# KiCad board Joystick_breakout.kicad_pcb
title: Joystick 2-axis with pushbutton breakout; date: 2021-11-10; rev: V1.1.1.; company: SOLDRED; note: 333089
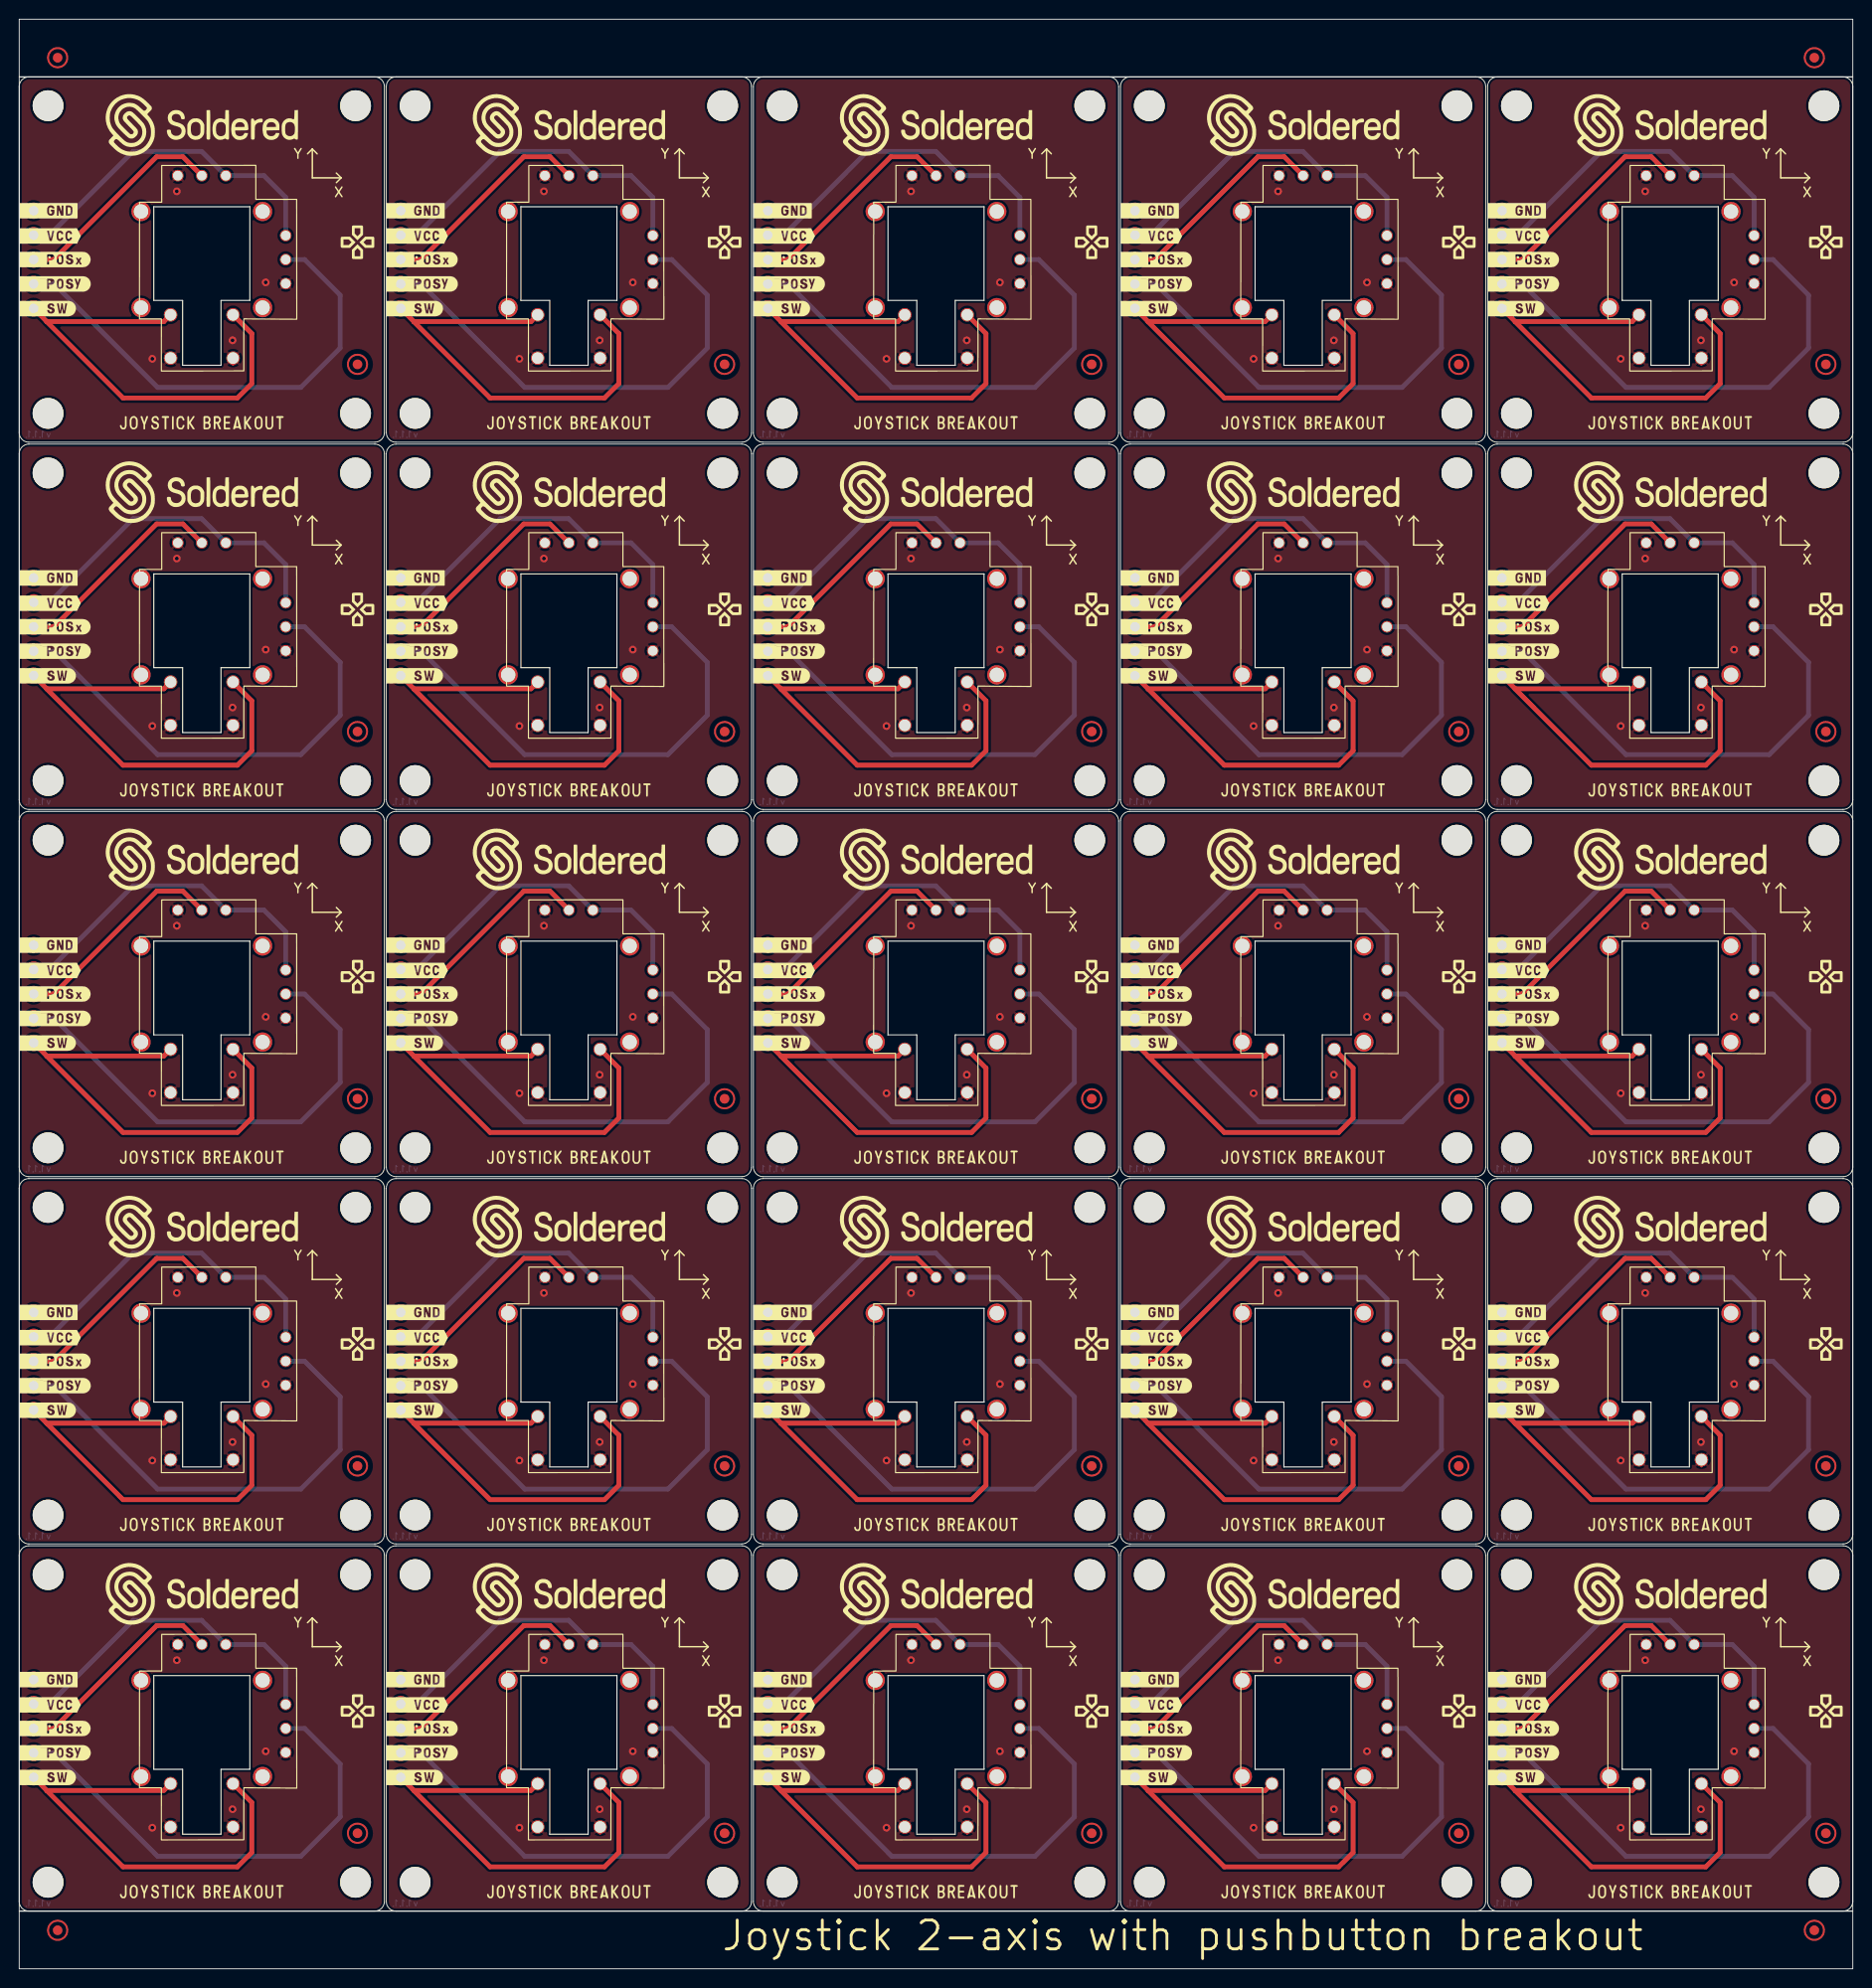
[diagram p0: board, top side]
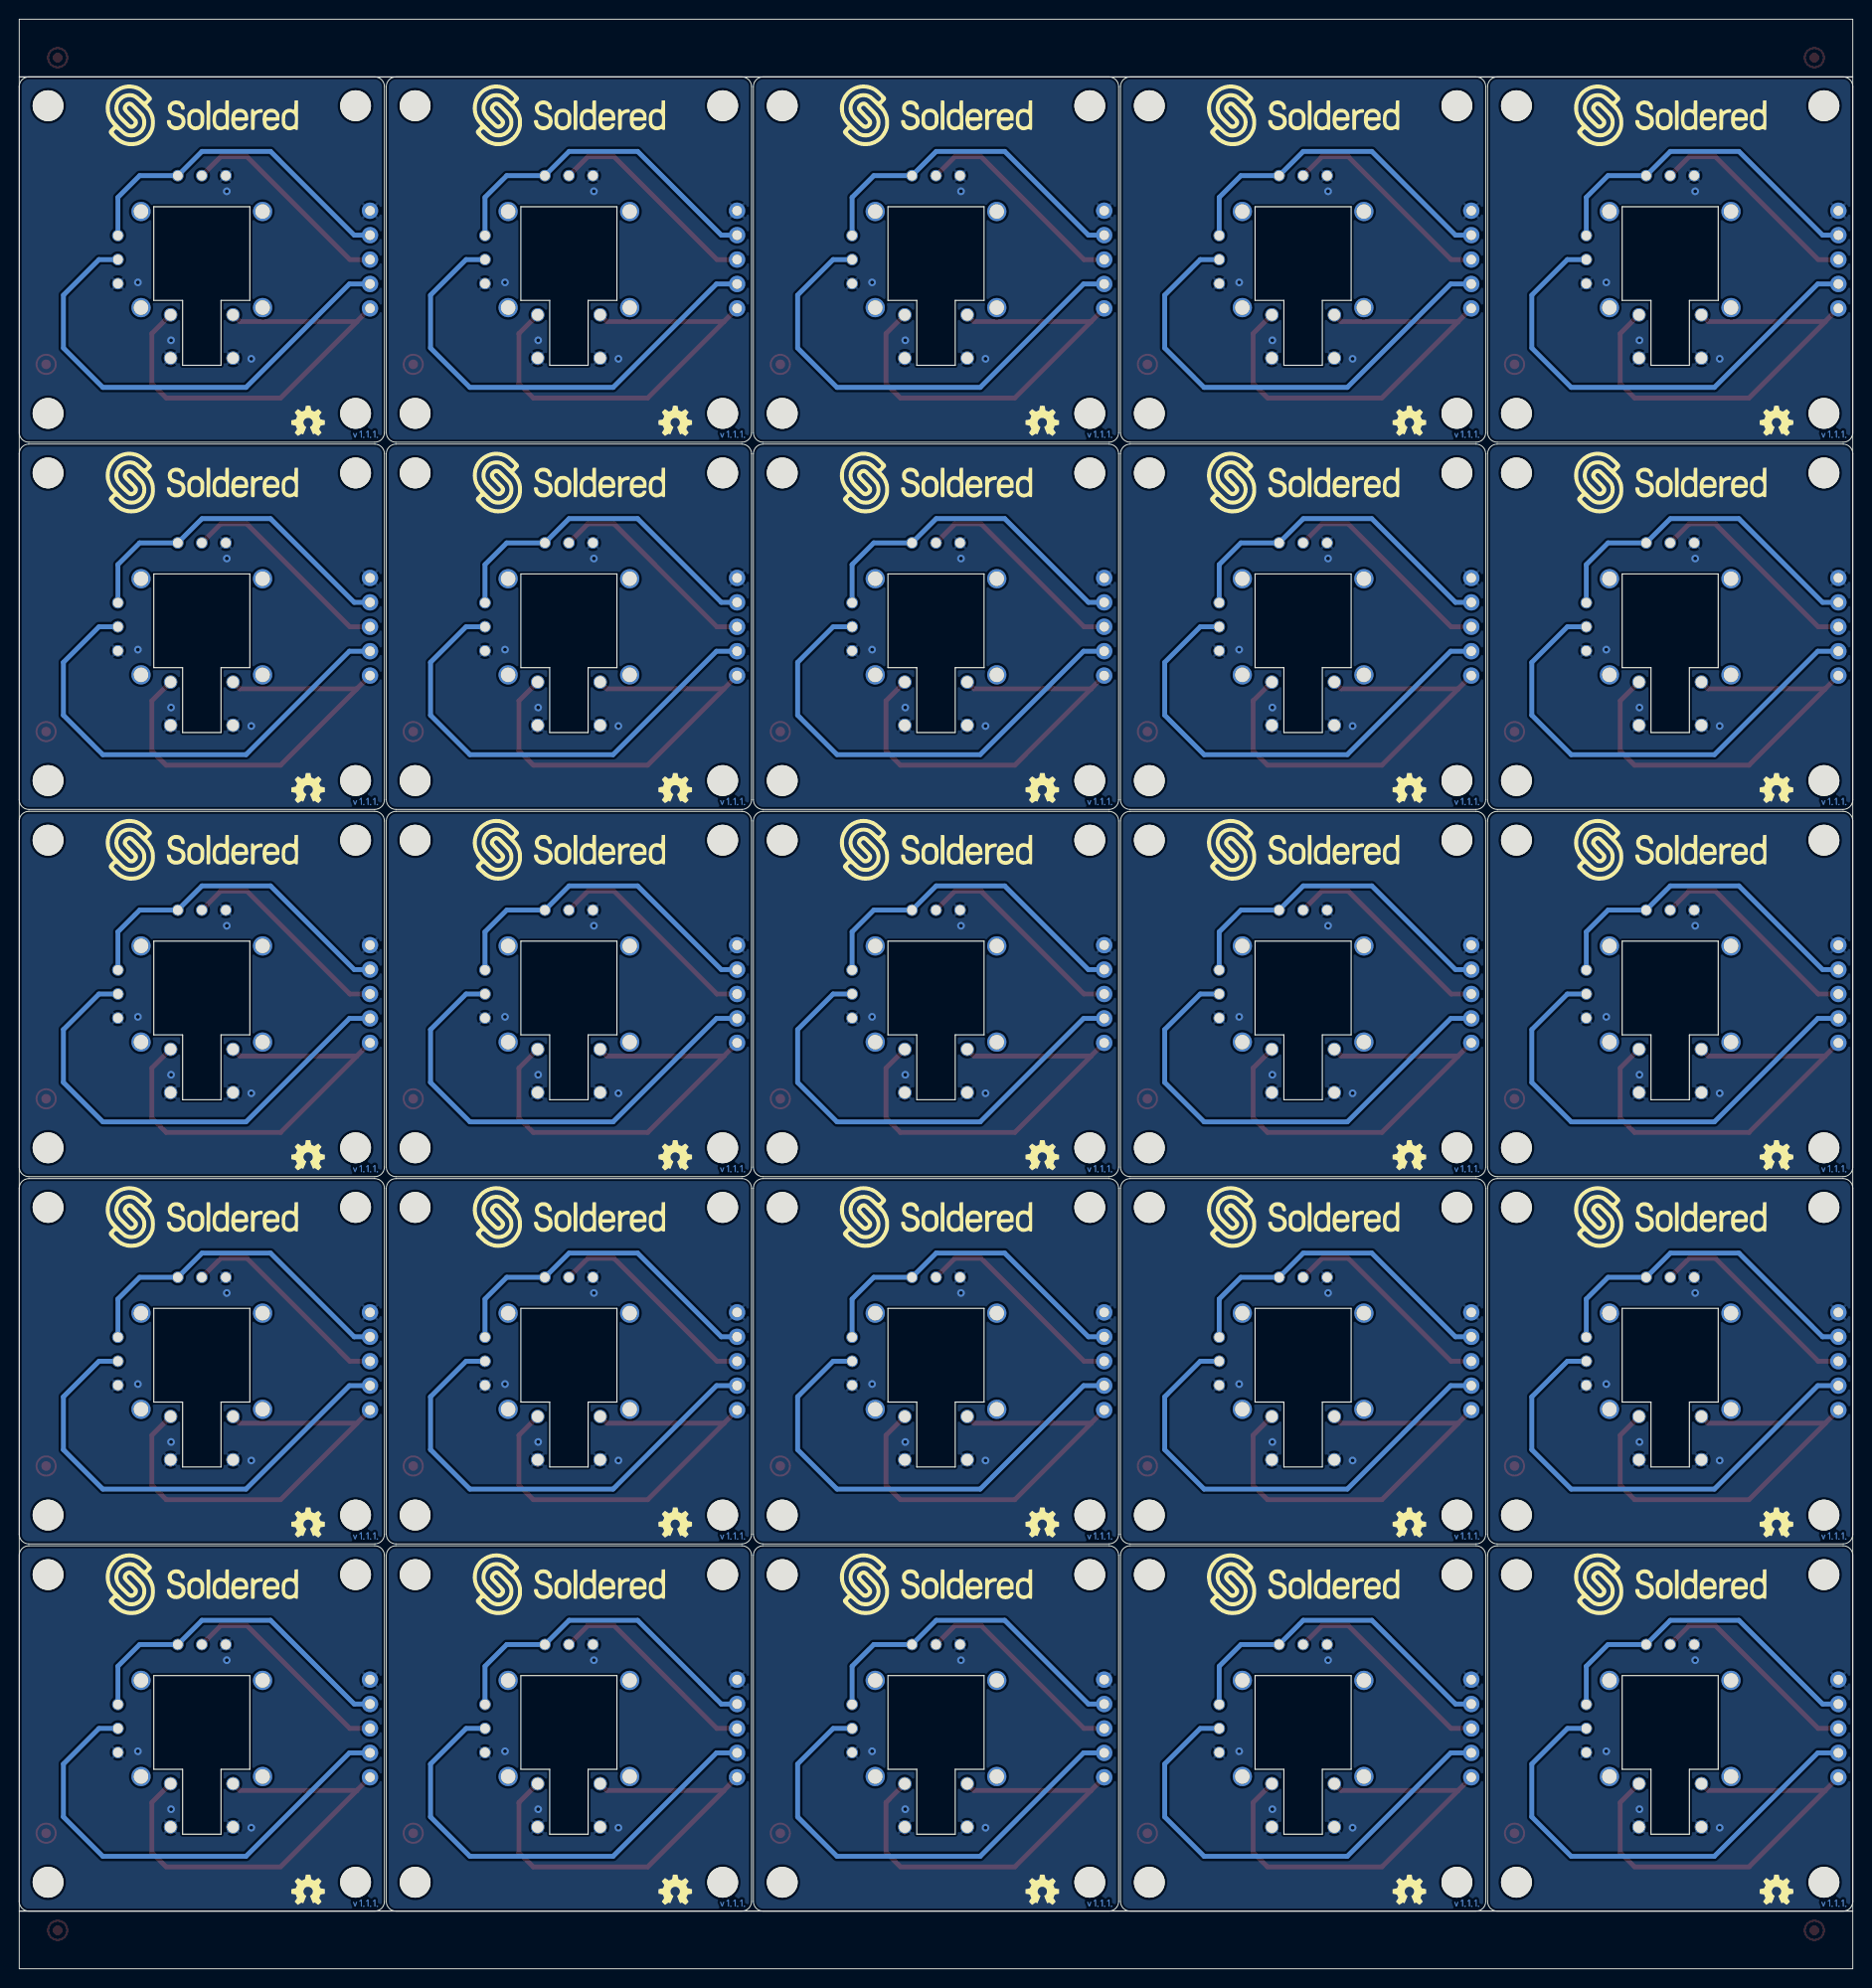
[diagram p1: board, bottom side, seen from below]

Outline 190.8 x 202.8 mm; copper layers: Top, Bottom. Coordinates in mm from the lower left corner of the outline.
Outline path: rectangle 0,202.8 190.8,196.8 ; rectangle 0,196.8 190.8,6 ; rectangle 0,6 190.8,0 ; 0,195.8 0,159.8 arc(0.29,159.09) 1,158.8 37,158.8 arc(37.71,159.09) 38,159.8 38,195.8 arc(37.71,196.51) 37,196.8 1,196.8 arc(0.29,196.51) 0,195.8 ; 0,157.6 0,121.6 arc(0.29,120.89) 1,120.6 37,120.6 arc(37.71,120.89) 38,121.6 38,157.6 arc(37.71,158.31) 37,158.6 1,158.6 arc(0.29,158.31) 0,157.6 ; 0,119.4 0,83.4 arc(0.29,82.69) 1,82.4 37,82.4 arc(37.71,82.69) 38,83.4 38,119.4 arc(37.71,120.11) 37,120.4 1,120.4 arc(0.29,120.11) 0,119.4 ; 0,81.2 0,45.2 arc(0.29,44.49) 1,44.2 37,44.2 arc(37.71,44.49) 38,45.2 38,81.2 arc(37.71,81.91) 37,82.2 1,82.2 arc(0.29,81.91) 0,81.2 ; 0,43 0,7 arc(0.29,6.29) 1,6 37,6 arc(37.71,6.29) 38,7 38,43 arc(37.71,43.71) 37,44 1,44 arc(0.29,43.71) 0,43 ; 38.2,195.8 38.2,159.8 arc(38.49,159.09) 39.2,158.8 75.2,158.8 arc(75.91,159.09) 76.2,159.8 76.2,195.8 arc(75.91,196.51) 75.2,196.8 39.2,196.8 arc(38.49,196.51) 38.2,195.8 ; 38.2,157.6 38.2,121.6 arc(38.49,120.89) 39.2,120.6 75.2,120.6 arc(75.91,120.89) 76.2,121.6 76.2,157.6 arc(75.91,158.31) 75.2,158.6 39.2,158.6 arc(38.49,158.31) 38.2,157.6 ; 38.2,119.4 38.2,83.4 arc(38.49,82.69) 39.2,82.4 75.2,82.4 arc(75.91,82.69) 76.2,83.4 76.2,119.4 arc(75.91,120.11) 75.2,120.4 39.2,120.4 arc(38.49,120.11) 38.2,119.4 ; 38.2,81.2 38.2,45.2 arc(38.49,44.49) 39.2,44.2 75.2,44.2 arc(75.91,44.49) 76.2,45.2 76.2,81.2 arc(75.91,81.91) 75.2,82.2 39.2,82.2 arc(38.49,81.91) 38.2,81.2 ; 38.2,43 38.2,7 arc(38.49,6.29) 39.2,6 75.2,6 arc(75.91,6.29) 76.2,7 76.2,43 arc(75.91,43.71) 75.2,44 39.2,44 arc(38.49,43.71) 38.2,43 ; 76.4,195.8 76.4,159.8 arc(76.69,159.09) 77.4,158.8 113.4,158.8 arc(114.11,159.09) 114.4,159.8 114.4,195.8 arc(114.11,196.51) 113.4,196.8 77.4,196.8 arc(76.69,196.51) 76.4,195.8 ; 76.4,157.6 76.4,121.6 arc(76.69,120.89) 77.4,120.6 113.4,120.6 arc(114.11,120.89) 114.4,121.6 114.4,157.6 arc(114.11,158.31) 113.4,158.6 77.4,158.6 arc(76.69,158.31) 76.4,157.6 ; 76.4,119.4 76.4,83.4 arc(76.69,82.69) 77.4,82.4 113.4,82.4 arc(114.11,82.69) 114.4,83.4 114.4,119.4 arc(114.11,120.11) 113.4,120.4 77.4,120.4 arc(76.69,120.11) 76.4,119.4 ; 76.4,81.2 76.4,45.2 arc(76.69,44.49) 77.4,44.2 113.4,44.2 arc(114.11,44.49) 114.4,45.2 114.4,81.2 arc(114.11,81.91) 113.4,82.2 77.4,82.2 arc(76.69,81.91) 76.4,81.2 ; 76.4,43 76.4,7 arc(76.69,6.29) 77.4,6 113.4,6 arc(114.11,6.29) 114.4,7 114.4,43 arc(114.11,43.71) 113.4,44 77.4,44 arc(76.69,43.71) 76.4,43 ; 114.6,195.8 114.6,159.8 arc(114.89,159.09) 115.6,158.8 151.6,158.8 arc(152.31,159.09) 152.6,159.8 152.6,195.8 arc(152.31,196.51) 151.6,196.8 115.6,196.8 arc(114.89,196.51) 114.6,195.8 ; 114.6,157.6 114.6,121.6 arc(114.89,120.89) 115.6,120.6 151.6,120.6 arc(152.31,120.89) 152.6,121.6 152.6,157.6 arc(152.31,158.31) 151.6,158.6 115.6,158.6 arc(114.89,158.31) 114.6,157.6 ; 114.6,119.4 114.6,83.4 arc(114.89,82.69) 115.6,82.4 151.6,82.4 arc(152.31,82.69) 152.6,83.4 152.6,119.4 arc(152.31,120.11) 151.6,120.4 115.6,120.4 arc(114.89,120.11) 114.6,119.4 ; 114.6,81.2 114.6,45.2 arc(114.89,44.49) 115.6,44.2 151.6,44.2 arc(152.31,44.49) 152.6,45.2 152.6,81.2 arc(152.31,81.91) 151.6,82.2 115.6,82.2 arc(114.89,81.91) 114.6,81.2 ; 114.6,43 114.6,7 arc(114.89,6.29) 115.6,6 151.6,6 arc(152.31,6.29) 152.6,7 152.6,43 arc(152.31,43.71) 151.6,44 115.6,44 arc(114.89,43.71) 114.6,43 ; 152.8,195.8 152.8,159.8 arc(153.09,159.09) 153.8,158.8 189.8,158.8 arc(190.51,159.09) 190.8,159.8 190.8,195.8 arc(190.51,196.51) 189.8,196.8 153.8,196.8 arc(153.09,196.51) 152.8,195.8 ; 152.8,157.6 152.8,121.6 arc(153.09,120.89) 153.8,120.6 189.8,120.6 arc(190.51,120.89) 190.8,121.6 190.8,157.6 arc(190.51,158.31) 189.8,158.6 153.8,158.6 arc(153.09,158.31) 152.8,157.6 ; 152.8,119.4 152.8,83.4 arc(153.09,82.69) 153.8,82.4 189.8,82.4 arc(190.51,82.69) 190.8,83.4 190.8,119.4 arc(190.51,120.11) 189.8,120.4 153.8,120.4 arc(153.09,120.11) 152.8,119.4 ; 152.8,81.2 152.8,45.2 arc(153.09,44.49) 153.8,44.2 189.8,44.2 arc(190.51,44.49) 190.8,45.2 190.8,81.2 arc(190.51,81.91) 189.8,82.2 153.8,82.2 arc(153.09,81.91) 152.8,81.2 ; 152.8,43 152.8,7 arc(153.09,6.29) 153.8,6 189.8,6 arc(190.51,6.29) 190.8,7 190.8,43 arc(190.51,43.71) 189.8,44 153.8,44 arc(153.09,43.71) 152.8,43
Stack: Top 0.035mm / dielectric 1.51mm FR4 er 4.5 / Bottom 0.035mm

## Placement (name value [footprint] x y rotation side)
FD1  FIDUCIAL  [FIDUCIAL_23]  73.4 90.5 0 top
FD1#2  FIDUCIAL  [FIDUCIAL_23]  35.2 52.3 0 top
FD1#3  FIDUCIAL  [FIDUCIAL_23]  188 52.3 0 top
FD1#4  FIDUCIAL  [FIDUCIAL_23]  149.8 166.9 0 top
FD1#5  FIDUCIAL  [FIDUCIAL_23]  35.2 14.1 0 top
FD1#6  FIDUCIAL  [FIDUCIAL_23]  4 4 0 top
FD1#7  FIDUCIAL  [FIDUCIAL_23]  35.2 128.7 0 top
FD1#8  FIDUCIAL  [FIDUCIAL_23]  111.6 14.1 0 top
FD1#9  FIDUCIAL  [FIDUCIAL_23]  188 166.9 0 top
FD1#10  FIDUCIAL  [FIDUCIAL_23]  186.8 198.8 0 top
FD1#11  FIDUCIAL  [FIDUCIAL_23]  73.4 52.3 0 top
FD1#12  FIDUCIAL  [FIDUCIAL_23]  111.6 90.5 0 top
FD1#13  FIDUCIAL  [FIDUCIAL_23]  149.8 128.7 0 top
FD1#14  FIDUCIAL  [FIDUCIAL_23]  73.4 14.1 0 top
FD1#15  FIDUCIAL  [FIDUCIAL_23]  188 128.7 0 top
FD1#16  FIDUCIAL  [FIDUCIAL_23]  4 198.8 0 top
FD1#17  FIDUCIAL  [FIDUCIAL_23]  35.2 90.5 0 top
FD1#18  FIDUCIAL  [FIDUCIAL_23]  186.8 4 0 top
FD1#19  FIDUCIAL  [FIDUCIAL_23]  73.4 166.9 0 top
FD1#20  FIDUCIAL  [FIDUCIAL_23]  188 90.5 0 top
FD1#21  FIDUCIAL  [FIDUCIAL_23]  188 14.1 0 top
FD1#22  FIDUCIAL  [FIDUCIAL_23]  111.6 52.3 0 top
FD1#23  FIDUCIAL  [FIDUCIAL_23]  35.2 166.9 0 top
FD1#24  FIDUCIAL  [FIDUCIAL_23]  149.8 14.1 0 top
FD1#25  FIDUCIAL  [FIDUCIAL_23]  111.6 128.7 0 top
FD1#26  FIDUCIAL  [FIDUCIAL_23]  111.6 166.9 0 top
FD1#27  FIDUCIAL  [FIDUCIAL_23]  149.8 52.3 0 top
FD1#28  FIDUCIAL  [FIDUCIAL_23]  149.8 90.5 0 top
FD1#29  FIDUCIAL  [FIDUCIAL_23]  73.4 128.7 0 top
G***  LOGO  [Logo-Back-OSH-3.5mm]  84.34 46.42 0 top
G***#2  LOGO  [Symbol-Front-Joystick]  188 179.6 0 top
G***#3  LOGO  [Symbol-Front-Joystick]  188 141.4 0 top
G***#4  LOGO  [Logo-Back-OSH-3.5mm]  46.14 84.62 0 top
G***#5  LOGO  [Symbol-Front-Joystick]  73.4 141.4 0 top
G***#6  LOGO  [Logo-Back-OSH-3.5mm]  160.74 161.02 0 top
G***#7  LOGO  [Logo-Back-OSH-3.5mm]  122.54 46.42 0 top
G***#8  LOGO  [Symbol-Front-Joystick]  73.4 26.8 0 top
G***#9  LOGO  [Symbol-Front-Joystick]  35.2 26.8 0 top
G***#10  LOGO  [Symbol-Front-Joystick]  111.6 26.8 0 top
G***#11  LOGO  [Logo-Back-OSH-3.5mm]  84.34 161.02 0 top
G***#12  LOGO  [Symbol-Front-Joystick]  149.8 65 0 top
G***#13  LOGO  [Logo-Back-OSH-3.5mm]  160.74 8.22 0 top
G***#14  LOGO  [Logo-Back-OSH-3.5mm]  7.94 84.62 0 top
G***#15  LOGO  [Logo-Back-OSH-3.5mm]  46.14 161.02 0 top
G***#16  LOGO  [Logo-Back-OSH-3.5mm]  122.54 84.62 0 top
G***#17  LOGO  [Symbol-Front-Joystick]  73.4 65 0 top
G***#18  LOGO  [Symbol-Front-Joystick]  35.2 141.4 0 top
G***#19  LOGO  [Symbol-Front-Joystick]  149.8 26.8 0 top
G***#20  LOGO  [Symbol-Front-Joystick]  188 103.2 0 top
G***#21  LOGO  [Logo-Back-OSH-3.5mm]  7.94 46.42 0 top
G***#22  LOGO  [Symbol-Front-Joystick]  149.8 141.4 0 top
G***#23  LOGO  [Logo-Back-OSH-3.5mm]  160.74 122.82 0 top
G***#24  LOGO  [Logo-Back-OSH-3.5mm]  160.74 46.42 0 top
G***#25  LOGO  [Logo-Back-OSH-3.5mm]  7.94 122.82 0 top
G***#26  LOGO  [Logo-Back-OSH-3.5mm]  122.54 161.02 0 top
G***#27  LOGO  [Symbol-Front-Joystick]  149.8 103.2 0 top
G***#28  LOGO  [Symbol-Front-Joystick]  111.6 141.4 0 top
G***#29  LOGO  [Symbol-Front-Joystick]  149.8 179.6 0 top
G***#30  LOGO  [Symbol-Front-Joystick]  35.2 65 0 top
G***#31  LOGO  [Symbol-Front-Joystick]  111.6 65 0 top
G***#32  LOGO  [Logo-Back-OSH-3.5mm]  122.54 122.82 0 top
G***#33  LOGO  [Symbol-Front-Joystick]  188 65 0 top
G***#34  LOGO  [Logo-Back-OSH-3.5mm]  46.14 122.82 0 top
G***#35  LOGO  [Symbol-Front-Joystick]  73.4 179.6 0 top
G***#36  LOGO  [Symbol-Front-Joystick]  73.4 103.2 0 top
G***#37  LOGO  [Logo-Back-OSH-3.5mm]  122.54 8.22 0 top
G***#38  LOGO  [Logo-Back-OSH-3.5mm]  46.14 8.22 0 top
G***#39  LOGO  [Symbol-Front-Joystick]  188 26.8 0 top
G***#40  LOGO  [Logo-Back-OSH-3.5mm]  84.34 84.62 0 top
G***#41  LOGO  [Logo-Back-OSH-3.5mm]  7.94 161.02 0 top
G***#42  LOGO  [Logo-Back-OSH-3.5mm]  46.14 46.42 0 top
G***#43  LOGO  [Logo-Back-OSH-3.5mm]  84.34 122.82 0 top
G***#44  LOGO  [Symbol-Front-Joystick]  35.2 179.6 0 top
G***#45  LOGO  [Logo-Back-OSH-3.5mm]  7.94 8.22 0 top
G***#46  LOGO  [Logo-Back-OSH-3.5mm]  160.74 84.62 0 top
G***#47  LOGO  [Symbol-Front-Joystick]  111.6 103.2 0 top
G***#48  LOGO  [Symbol-Front-Joystick]  35.2 103.2 0 top
G***#49  LOGO  [Logo-Back-OSH-3.5mm]  84.34 8.22 0 top
G***#50  LOGO  [Symbol-Front-Joystick]  111.6 179.6 0 top
H1  -  [HOLE_3.2mm]  155.8 79.2 0 top
H1#2  -  [HOLE_3.2mm]  41.2 193.8 0 top
H1#3  -  [HOLE_3.2mm]  3 79.2 0 top
H1#4  -  [HOLE_3.2mm]  3 193.8 0 top
H1#5  -  [HOLE_3.2mm]  41.2 155.6 0 top
H1#6  -  [HOLE_3.2mm]  117.6 117.4 0 top
H1#7  -  [HOLE_3.2mm]  79.4 41 0 top
H1#8  -  [HOLE_3.2mm]  79.4 193.8 0 top
H1#9  -  [HOLE_3.2mm]  155.8 193.8 0 top
H1#10  -  [HOLE_3.2mm]  155.8 41 0 top
H1#11  -  [HOLE_3.2mm]  3 117.4 0 top
H1#12  -  [HOLE_3.2mm]  117.6 41 0 top
H1#13  -  [HOLE_3.2mm]  79.4 155.6 0 top
H1#14  -  [HOLE_3.2mm]  155.8 117.4 0 top
H1#15  -  [HOLE_3.2mm]  3 41 0 top
H1#16  -  [HOLE_3.2mm]  41.2 41 0 top
H1#17  -  [HOLE_3.2mm]  79.4 117.4 0 top
H1#18  -  [HOLE_3.2mm]  79.4 79.2 0 top
H1#19  -  [HOLE_3.2mm]  117.6 193.8 0 top
H1#20  -  [HOLE_3.2mm]  41.2 117.4 0 top
H1#21  -  [HOLE_3.2mm]  117.6 79.2 0 top
H1#22  -  [HOLE_3.2mm]  155.8 155.6 0 top
H1#23  -  [HOLE_3.2mm]  41.2 79.2 0 top
H1#24  -  [HOLE_3.2mm]  3 155.6 0 top
H1#25  -  [HOLE_3.2mm]  117.6 155.6 0 top
H2  -  [HOLE_3.2mm]  187.8 193.8 0 top
H2#2  -  [HOLE_3.2mm]  73.2 79.2 0 top
H2#3  -  [HOLE_3.2mm]  111.4 117.4 0 top
H2#4  -  [HOLE_3.2mm]  149.6 155.6 0 top
H2#5  -  [HOLE_3.2mm]  73.2 155.6 0 top
H2#6  -  [HOLE_3.2mm]  73.2 41 0 top
H2#7  -  [HOLE_3.2mm]  187.8 79.2 0 top
H2#8  -  [HOLE_3.2mm]  149.6 41 0 top
H2#9  -  [HOLE_3.2mm]  111.4 79.2 0 top
H2#10  -  [HOLE_3.2mm]  149.6 193.8 0 top
H2#11  -  [HOLE_3.2mm]  111.4 41 0 top
H2#12  -  [HOLE_3.2mm]  187.8 117.4 0 top
H2#13  -  [HOLE_3.2mm]  73.2 117.4 0 top
H2#14  -  [HOLE_3.2mm]  73.2 193.8 0 top
H2#15  -  [HOLE_3.2mm]  149.6 79.2 0 top
H2#16  -  [HOLE_3.2mm]  187.8 41 0 top
H2#17  -  [HOLE_3.2mm]  35 155.6 0 top
H2#18  -  [HOLE_3.2mm]  35 117.4 0 top
H2#19  -  [HOLE_3.2mm]  35 193.8 0 top
H2#20  -  [HOLE_3.2mm]  149.6 117.4 0 top
H2#21  -  [HOLE_3.2mm]  187.8 155.6 0 top
H2#22  -  [HOLE_3.2mm]  111.4 155.6 0 top
H2#23  -  [HOLE_3.2mm]  111.4 193.8 0 top
H2#24  -  [HOLE_3.2mm]  35 41 0 top
H2#25  -  [HOLE_3.2mm]  35 79.2 0 top
H3  -  [HOLE_3.2mm]  111.4 123.6 0 top
H3#2  -  [HOLE_3.2mm]  111.4 47.2 0 top
H3#3  -  [HOLE_3.2mm]  149.6 47.2 0 top
H3#4  -  [HOLE_3.2mm]  111.4 9 0 top
H3#5  -  [HOLE_3.2mm]  187.8 47.2 0 top
H3#6  -  [HOLE_3.2mm]  73.2 123.6 0 top
H3#7  -  [HOLE_3.2mm]  35 47.2 0 top
H3#8  -  [HOLE_3.2mm]  187.8 9 0 top
H3#9  -  [HOLE_3.2mm]  73.2 161.8 0 top
H3#10  -  [HOLE_3.2mm]  73.2 9 0 top
H3#11  -  [HOLE_3.2mm]  73.2 47.2 0 top
H3#12  -  [HOLE_3.2mm]  149.6 123.6 0 top
H3#13  -  [HOLE_3.2mm]  35 123.6 0 top
H3#14  -  [HOLE_3.2mm]  35 9 0 top
H3#15  -  [HOLE_3.2mm]  73.2 85.4 0 top
H3#16  -  [HOLE_3.2mm]  187.8 85.4 0 top
H3#17  -  [HOLE_3.2mm]  149.6 85.4 0 top
H3#18  -  [HOLE_3.2mm]  149.6 161.8 0 top
H3#19  -  [HOLE_3.2mm]  35 161.8 0 top
H3#20  -  [HOLE_3.2mm]  149.6 9 0 top
H3#21  -  [HOLE_3.2mm]  111.4 161.8 0 top
H3#22  -  [HOLE_3.2mm]  187.8 123.6 0 top
H3#23  -  [HOLE_3.2mm]  187.8 161.8 0 top
H3#24  -  [HOLE_3.2mm]  111.4 85.4 0 top
H3#25  -  [HOLE_3.2mm]  35 85.4 0 top
H4  -  [HOLE_3.2mm]  41.2 123.6 180 bottom
H4#2  -  [HOLE_3.2mm]  117.6 161.8 180 bottom
H4#3  -  [HOLE_3.2mm]  155.8 85.4 180 bottom
H4#4  -  [HOLE_3.2mm]  155.8 123.6 180 bottom
H4#5  -  [HOLE_3.2mm]  155.8 9 180 bottom
H4#6  -  [HOLE_3.2mm]  79.4 9 180 bottom
H4#7  -  [HOLE_3.2mm]  3 9 180 bottom
H4#8  -  [HOLE_3.2mm]  41.2 9 180 bottom
H4#9  -  [HOLE_3.2mm]  155.8 161.8 180 bottom
H4#10  -  [HOLE_3.2mm]  3 85.4 180 bottom
H4#11  -  [HOLE_3.2mm]  3 47.2 180 bottom
H4#12  -  [HOLE_3.2mm]  41.2 85.4 180 bottom
H4#13  -  [HOLE_3.2mm]  79.4 123.6 180 bottom
H4#14  -  [HOLE_3.2mm]  117.6 47.2 180 bottom
H4#15  -  [HOLE_3.2mm]  117.6 123.6 180 bottom
H4#16  -  [HOLE_3.2mm]  155.8 47.2 180 bottom
H4#17  -  [HOLE_3.2mm]  79.4 85.4 180 bottom
H4#18  -  [HOLE_3.2mm]  3 123.6 180 bottom
H4#19  -  [HOLE_3.2mm]  79.4 161.8 180 bottom
H4#20  -  [HOLE_3.2mm]  117.6 9 180 bottom
H4#21  -  [HOLE_3.2mm]  41.2 161.8 180 bottom
H4#22  -  [HOLE_3.2mm]  79.4 47.2 180 bottom
H4#23  -  [HOLE_3.2mm]  3 161.8 180 bottom
H4#24  -  [HOLE_3.2mm]  117.6 85.4 180 bottom
H4#25  -  [HOLE_3.2mm]  41.2 47.2 180 bottom
K1  Joystick  [joystick]  57.2 139.6 0 top
K1#2  Joystick  [joystick]  19 139.6 0 top
K1#3  Joystick  [joystick]  57.2 101.4 0 top
K1#4  Joystick  [joystick]  57.2 177.8 0 top
K1#5  Joystick  [joystick]  133.6 63.2 0 top
K1#6  Joystick  [joystick]  133.6 101.4 0 top
K1#7  Joystick  [joystick]  19 101.4 0 top
K1#8  Joystick  [joystick]  171.8 63.2 0 top
K1#9  Joystick  [joystick]  171.8 101.4 0 top
K1#10  Joystick  [joystick]  171.8 177.8 0 top
K1#11  Joystick  [joystick]  95.4 63.2 0 top
K1#12  Joystick  [joystick]  95.4 177.8 0 top
K1#13  Joystick  [joystick]  19 63.2 0 top
K1#14  Joystick  [joystick]  19 177.8 0 top
K1#15  Joystick  [joystick]  171.8 25 0 top
K1#16  Joystick  [joystick]  171.8 139.6 0 top
K1#17  Joystick  [joystick]  57.2 25 0 top
K1#18  Joystick  [joystick]  133.6 25 0 top
K1#19  Joystick  [joystick]  133.6 177.8 0 top
K1#20  Joystick  [joystick]  57.2 63.2 0 top
K1#21  Joystick  [joystick]  95.4 101.4 0 top
K1#22  Joystick  [joystick]  95.4 139.6 0 top
K1#23  Joystick  [joystick]  133.6 139.6 0 top
K1#24  Joystick  [joystick]  19 25 0 top
K1#25  Joystick  [joystick]  95.4 25 0 top
K2  -  [HEADER_MALE_5X1]  39.7 177.8 90 bottom
K2#2  -  [HEADER_MALE_5X1]  77.9 25 90 bottom
K2#3  -  [HEADER_MALE_5X1]  1.5 63.2 90 bottom
K2#4  -  [HEADER_MALE_5X1]  154.3 63.2 90 bottom
K2#5  -  [HEADER_MALE_5X1]  1.5 177.8 90 bottom
K2#6  -  [HEADER_MALE_5X1]  77.9 139.6 90 bottom
K2#7  -  [HEADER_MALE_5X1]  154.3 177.8 90 bottom
K2#8  -  [HEADER_MALE_5X1]  39.7 101.4 90 bottom
K2#9  -  [HEADER_MALE_5X1]  154.3 25 90 bottom
K2#10  -  [HEADER_MALE_5X1]  116.1 63.2 90 bottom
K2#11  -  [HEADER_MALE_5X1]  1.5 101.4 90 bottom
K2#12  -  [HEADER_MALE_5X1]  77.9 101.4 90 bottom
K2#13  -  [HEADER_MALE_5X1]  77.9 63.2 90 bottom
K2#14  -  [HEADER_MALE_5X1]  39.7 25 90 bottom
K2#15  -  [HEADER_MALE_5X1]  116.1 101.4 90 bottom
K2#16  -  [HEADER_MALE_5X1]  1.5 139.6 90 bottom
K2#17  -  [HEADER_MALE_5X1]  116.1 139.6 90 bottom
K2#18  -  [HEADER_MALE_5X1]  154.3 139.6 90 bottom
K2#19  -  [HEADER_MALE_5X1]  116.1 25 90 bottom
K2#20  -  [HEADER_MALE_5X1]  116.1 177.8 90 bottom
K2#21  -  [HEADER_MALE_5X1]  39.7 63.2 90 bottom
K2#22  -  [HEADER_MALE_5X1]  1.5 25 90 bottom
K2#23  -  [HEADER_MALE_5X1]  154.3 101.4 90 bottom
K2#24  -  [HEADER_MALE_5X1]  39.7 139.6 90 bottom
K2#25  -  [HEADER_MALE_5X1]  77.9 177.8 90 bottom